# KiCad board Backplane_v2.kicad_pcb (continued)
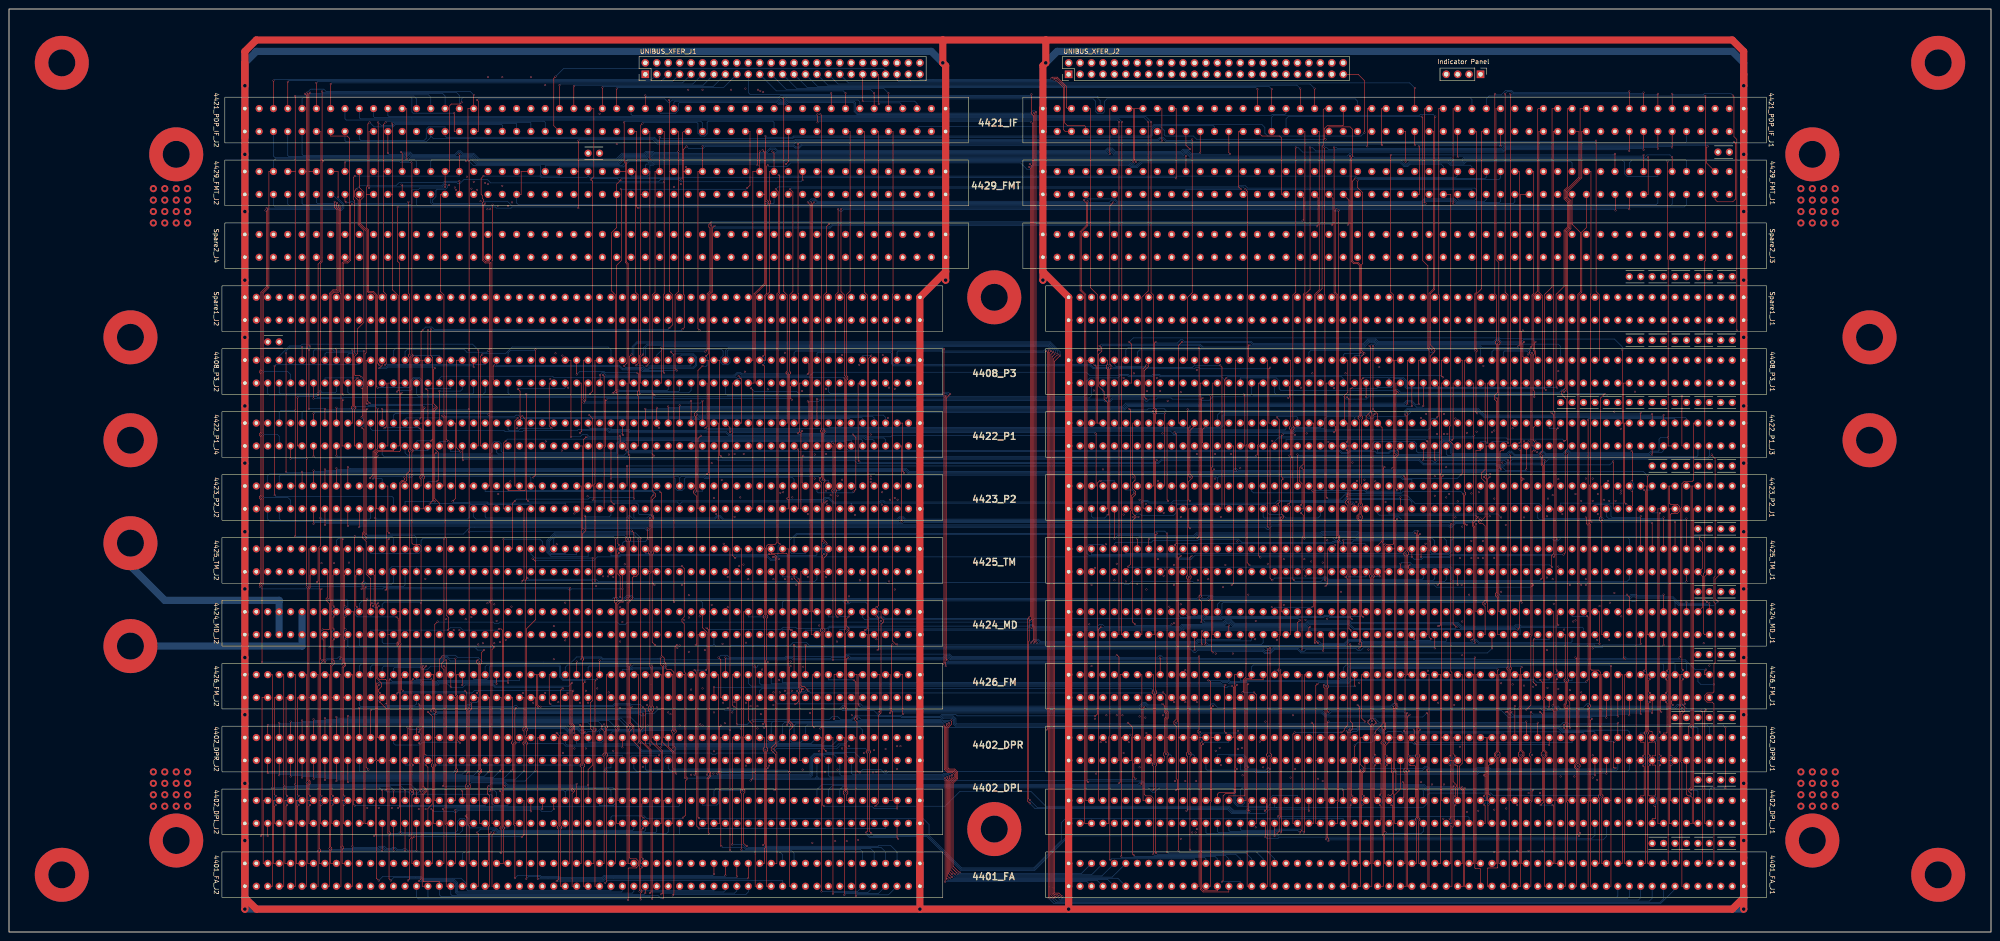
[diagram p0: board, top side]
## Routing (per net, layer and track width the routed paths; a pad name or vN(x,y) marks a point on that pad's centre or on a via; arc(x,y) is an arc through that point) (continued)
FMM22*: length 138.2
  F.SigTop w0.127: 4401_FA_J2.80 104.18,10.16 104.18,21.84 v2(103.92,22.1) ; v2(93.76,56.13) 94.02,55.88 94.02,49.66 93.63,49.28 v2(93.63,49.02) ; 4402_DPL_J2.50 142.28,24.13 142.28,40.39 140.24,42.42 140.24,44.83 140.75,45.34 v2(140.75,48.51)
  B.Sig.Top w0.127: 4402_DPL_J2.50 141.26,22.61 141.01,22.35 108.49,22.35 107.99,22.86 104.68,22.86 v2(103.92,22.1) ; 4426_FM_J2.89 90.46,56.13 v2(93.76,56.13) ; v2(140.75,48.51) 140.5,48.77 94.78,48.77 94.52,48.51 94.14,48.51 v2(93.63,49.02)
FMM23*: length 104.9
  F.SigTop w0.127: 4426_FM_J2.91 87.16,56.39 87.16,53.85 v2(87.41,53.59) ; v2(101.25,53.59) 101.64,53.21 101.64,49.66 101.89,49.4 101.89,35.43 101.64,35.18 101.64,32.89 101.38,32.64 101.38,32.13 101.64,31.88 101.64,26.03 ; 101.64,25.4 101.64,25.53 v2(101.38,25.78) 101.64,26.03 ; 101.64,25.4 101.64,26.03 ; 101.64,25.4 101.64,10.16 4401_FA_J2.82
  B.Sig.Top w0.127: v2(101.38,25.78) 101.89,25.27 101.89,23.62 102.4,23.11 108.11,23.11 108.62,22.61 138.47,22.61 138.72,22.86 4402_DPL_J2.52 ; v2(101.25,53.59) 101,53.34 87.67,53.34 v2(87.41,53.59)
FMM24*: length 70.4
  F.SigTop w0.127: 4402_DPL_J2.90 v2(90.46,18.03) ; 4401_FA_J2.102 76.24,10.16 v2(76.24,19.05) 76.24,57.15 4426_FM_J2.101
  B.Sig.Top w0.127: v2(90.46,18.03) 88.56,18.03 88.05,18.54 87.67,18.54 87.41,18.29 86.27,18.29 85.76,18.8 85.13,18.8 84.87,18.54 83.86,18.54 83.35,19.05 82.08,19.05 81.82,18.8 76.49,18.8 v2(76.24,19.05)
FMM25*: length 70.1
  F.SigTop w0.127: 4402_DPL_J2.92 v2(87.92,18.03) ; 4426_FM_J2.103 73.7,57.15 v2(73.7,18.8) 73.7,10.16 4401_FA_J2.104
  B.Sig.Top w0.127: v2(87.92,18.03) 86.14,18.03 85.63,18.54 85.25,18.54 85,18.29 83.6,18.29 83.09,18.8 82.33,18.8 82.08,18.54 73.95,18.54 v2(73.7,18.8)
FMM26*: length 69.8
  F.SigTop w0.127: 4402_DPL_J2.94 v2(85.38,18.03) ; 4426_FM_J2.105 71.16,57.15 v2(71.16,18.54) 71.16,10.16 4401_FA_J2.106
  B.Sig.Top w0.127: v2(71.16,18.54) 71.41,18.29 82.33,18.29 82.59,18.54 82.97,18.54 83.47,18.03 v2(85.38,18.03)
FMM27*: length 69.3
  F.SigTop w0.127: 4402_DPL_J2.96 v2(82.84,18.03) ; 4401_FA_J2.108 68.62,10.16 v2(68.62,18.03) 68.62,57.15 4426_FM_J2.107
  B.Sig.Top w0.127: v2(82.84,18.03) v2(68.62,18.03)
FMOVF*: length 123.3
  F.SigTop w0.127: v2(310.42,115.32) 310.42,84.58 310.68,84.33 310.68,83.82 310.42,83.57 310.42,57.15 4426_FM_J1.59
  B.Sig.Top w0.127: v2(310.42,115.32) 310.93,115.82 325.92,115.82 327.44,114.3 372.15,114.3 372.4,114.05 4422_P1_J3.11
FMUL*: length 404.7
  F.SigTop w0.127: 4422_P1_J4.18 182.92,107.95 182.92,98.42 182.66,98.17 182.66,97.92 182.92,97.66 v2(182.92,60.45) ; v2(358.68,60.58) 358.43,60.83 358.43,121.92 4408_P3_J1.22 ; v2(376.72,58.29) 376.46,58.04 376.46,57.15 4426_FM_J1.7 ; 4423_P2_J2.61 127.04,99.06 v2(127.04,60.58)
  B.Sig.Top w0.127: v2(127.04,60.58) 127.29,60.83 131.35,60.83 131.74,60.45 172.5,60.45 172.76,60.71 173.77,60.71 174.03,60.45 v2(182.92,60.45) 207.55,60.45 207.94,60.83 208.57,60.83 208.95,60.45 358.56,60.45 v2(358.68,60.58) 358.81,60.45 372.15,60.45 374.3,58.29 v2(376.72,58.29)
FMUNF*: length 119.9
  F.SigTop w0.127: v2(367.32,114.81) 4422_P1_J3.15 ; v2(309.92,114.94) 310.17,114.68 310.17,84.71 309.66,84.2 309.66,83.82 309.92,83.57 309.92,57.15 4426_FM_J1.61
  B.Sig.Top w0.127: v2(309.92,114.94) 309.92,115.44 310.55,116.08 326.05,116.08 327.57,114.55 367.07,114.55 v2(367.32,114.81)
FN2HD*: length 73.4
  F.SigTop w0.127: 4421_PDP_IF_J2.90 69.25,177.8 69.25,148.97 68.62,148.34 v2(68.62,119.25)
  B.Sig.Top w0.127: 4408_P3_J2.116 57.44,119.63 57.82,119.25 v2(68.62,119.25)
FSE00*: length 44.2
  F.SigTop w0.127: 4401_FA_J1.17 363.76,15.24 363.76,43.81 364.02,44.07 364.02,44.32 363.76,44.58 363.76,57.15 4426_FM_J1.17
FSE01*: length 44.2
  F.SigTop w0.127: 4426_FM_J1.19 363.26,57.15 363.26,44.58 363,44.32 363,44.07 363.26,43.81 363.26,15.24 4401_FA_J1.19
FSE02*: length 43.9
  F.SigTop w0.127: 4426_FM_J1.21 358.68,57.15 358.68,15.24 4401_FA_J1.21
FSE03*: length 43.9
  F.SigTop w0.127: 4426_FM_J1.23 358.18,57.15 358.18,15.24 4401_FA_J1.23
FSE04*: length 44.2
  F.SigTop w0.127: 4426_FM_J1.25 353.6,57.15 353.6,30.61 353.86,30.35 353.86,29.97 353.6,29.72 353.6,15.24 4401_FA_J1.25
FSE05*: length 44.2
  F.SigTop w0.127: 4401_FA_J1.27 353.1,15.24 353.1,29.72 352.84,29.97 352.84,30.35 353.1,30.61 353.1,57.15 4426_FM_J1.27
FSE06*: length 44.4
  F.SigTop w0.127: 4426_FM_J1.39 335.82,57.15 335.82,40.39 336.33,39.88 336.33,39.12 335.82,38.61 335.82,15.24 4401_FA_J1.39
FSE07*: length 44.2
  F.SigTop w0.127: 4426_FM_J1.41 335.32,57.15 335.32,40 335.06,39.75 335.06,39.12 335.32,38.86 335.32,15.24 4401_FA_J1.41
FSE08*: length 44.2
  F.SigTop w0.127: 4426_FM_J1.43 330.74,57.15 330.74,40 331,39.75 331,38.99 330.74,38.74 330.74,15.24 4401_FA_J1.43
FSE09*: length 44.4
  F.SigTop w0.127: 4401_FA_J1.45 330.24,15.24 330.24,38.61 329.73,39.12 329.73,39.62 330.24,40.13 330.24,57.15 4426_FM_J1.45
FSE10*: length 43.9
  F.SigTop w0.127: 4401_FA_J1.47 325.66,15.24 325.66,57.15 4426_FM_J1.47
FSE11*: length 43.9
  F.SigTop w0.127: 4426_FM_J1.49 325.16,57.15 325.16,15.24 4401_FA_J1.49
HADR2HD*: length 44.6
  F.SigTop w0.127: v2(98.84,181.86) 98.84,177.8 4421_PDP_IF_J2.70
  B.Sig.Top w0.127: 4421_PDP_IF_J2.91 65.06,185.04 65.44,185.42 89.19,185.42 89.44,185.17 89.44,182.12 89.7,181.86 v2(98.84,181.86)
HADRCLK*: length 95.8
  F.SigTop w0.127: 4421_PDP_IF_J2.68 104.18,177.8 104.18,184.53 v2(103.92,184.78)
  B.Sig.Top w0.127: 4421_PDP_IF_J2.13 188.88,184.4 188.5,184.78 172.76,184.78 172.25,184.28 171.11,184.28 170.6,184.78 147.23,184.78 146.72,184.28 146.34,184.28 145.58,185.04 104.18,185.04 v2(103.92,184.78)
HD00: length 157.3
  F.SigTop w0.127: 4408_P3_J2.29 167.93,127 167.93,141.22 168.82,142.11 168.82,161.54 169.07,161.8 169.07,162.31 168.82,162.56 168.82,168.91 4429_FMT_J2.25 169.83,172.97 v2(169.45,173.36) ; 4421_PDP_IF_J1.74 270.8,173.1 v2(271.05,172.85)
  B.Sig.Top w0.127: v2(271.05,172.85) 270.8,172.59 262.42,172.59 261.66,173.36 260.89,173.36 260.39,172.85 245.4,172.85 244.64,173.61 244.13,173.61 243.62,173.1 170.09,173.1 169.83,173.36 v2(169.45,173.36)
HD01: length 163.5
  F.SigTop w0.127: 4408_P3_J2.30 165.64,121.92 165.64,141.61 167.93,143.89 167.93,161.8 v2(168.18,162.05) 167.93,162.31 v2(167.93,176.78)
  B.Sig.Top w0.127: 4429_FMT_J2.26 169.83,161.93 169.71,161.8 168.44,161.8 v2(168.18,162.05) ; v2(167.93,176.78) 168.18,176.53 173.9,176.53 174.15,176.78 253.27,176.78 253.53,177.04 253.53,178.31 254.29,179.07 267.37,179.07 267.62,178.82 4421_PDP_IF_J1.76
HD02: length 153.2
  F.SigTop w0.127: 4408_P3_J2.31 165.14,127 165.14,168.91 4429_FMT_J2.27 v2(166.66,173.36) ; v2(264.45,173.1) 4421_PDP_IF_J1.78
  B.Sig.Top w0.127: v2(264.45,173.1) 264.2,172.85 262.55,172.85 261.78,173.61 260.77,173.61 260.26,173.1 245.53,173.1 244.76,173.86 244,173.86 243.5,173.36 170.47,173.36 169.96,173.86 169.07,173.86 168.31,173.1 166.91,173.1 v2(166.66,173.36)
HD2DP: length 145.3
  F.SigTop w0.127: v2(242.1,130.18) 242.61,129.67 242.61,129.03 241.84,128.27 241.84,121.28 243.11,120.01 243.11,118.36 243.88,117.6 243.88,93.98 4423_P2_J1.114
  B.Sig.Top w0.127: 4408_P3_J1.33 344.46,130.05 343.95,130.56 334.68,130.56 334.55,130.43 303.57,130.43 303.06,130.94 302.04,130.94 301.03,129.92 265.08,129.92 264.45,130.56 242.48,130.56 v2(242.1,130.18)
HD03: length 155.6
  F.SigTop w0.127: 167.68,163.83 167.68,173.23 v2(167.3,173.61) ; 167.68,163.83 4429_FMT_J2.28 ; 167.68,163.83 167.68,144.02 165.39,141.73 165.39,121.92 4408_P3_J2.32 ; v2(262.16,173.86) 261.27,174.75 4421_PDP_IF_J1.80
  B.Sig.Top w0.127: v2(262.16,173.86) 260.64,173.86 260.13,173.36 245.65,173.36 244.89,174.12 243.88,174.12 243.37,173.61 170.6,173.61 170.09,174.12 168.95,174.12 168.18,173.36 167.55,173.36 v2(167.3,173.61)
HD04: length 95.9
  F.SigTop w0.127: 4421_PDP_IF_J2.24 173.01,171.07 v2(172.5,170.56) ; 4429_FMT_J2.43 142.28,168.91 142.28,126.49 v2(141.51,125.73)
  B.Sig.Top w0.127: v2(172.5,170.56) 172.25,170.81 143.17,170.81 142.91,170.56 141.51,170.56 141.26,170.31 4429_FMT_J2.43 ; 4408_P3_J2.41 151.42,125.98 151.17,125.73 v2(141.51,125.73)
HD05: length 111.6
  F.SigTop w0.127: v2(140.62,179.58) 140.24,179.2 140.24,163.83 ; v2(139.99,119.51) 139.99,128.02 140.24,128.27 140.24,163.83 ; 140.24,163.83 4429_FMT_J2.44
  B.Sig.Top w0.127: v2(139.99,119.51) 140.24,119.76 150.91,119.76 151.42,120.27 4408_P3_J2.42 ; v2(140.62,179.58) 140.88,179.83 152.69,179.83 152.94,179.58 152.94,177.42 153.58,176.78 154.47,176.78 154.98,177.29 154.98,179.83 155.23,180.09 169.58,180.09 169.83,179.83 4421_PDP_IF_J2.26
HD06: length 103.6
  F.SigTop w0.127: v2(139.23,125.86) 139.74,126.37 139.74,141.48 139.1,142.11 139.1,168.91 138.08,168.91 ; v2(166.15,170.31) 166.15,177.29 4421_PDP_IF_J2.28
  B.Sig.Top w0.127: v2(139.23,125.86) 140.62,125.86 141.26,125.22 141.89,125.22 142.15,125.48 151.93,125.48 152.44,125.98 152.44,127.51 151.8,128.14 149.26,128.14 148.88,127.76 4408_P3_J2.43 ; 138.08,168.91 138.08,168.02 138.21,167.89 141.77,167.89 142.28,168.4 142.28,170.18 142.4,170.31 143.04,170.31 143.29,170.56 165.9,170.56 v2(166.15,170.31)
HD07: length 105.2
  F.SigTop w0.127: v2(134.66,119.63) 134.91,119.89 134.91,148.08 135.93,149.1 135.93,164.85 v2(135.8,164.97) ; v2(163.87,165.23) 164.5,165.86 164.5,177.8 4421_PDP_IF_J2.30
  B.Sig.Top w0.127: 138.08,164.97 138.08,163.83 ; 138.08,164.97 v2(135.8,164.97) ; 138.08,164.97 163.61,164.97 v2(163.87,165.23) ; v2(134.66,119.63) 135.04,120.01 148.63,120.01 148.88,120.27 4408_P3_J2.44
HD08: length 101.9
  F.SigTop w0.127: 136.81,168.91 4429_FMT_J2.47 ; 136.81,168.91 136.81,148.72 137.2,148.34 137.2,126.37 v2(136.56,125.73) ; 136.81,168.91 136.81,170.81 136.56,171.07 v2(136.56,179.83)
  B.Sig.Top w0.127: v2(136.56,125.73) 136.94,125.35 140.75,125.35 141.13,124.97 142.02,124.97 142.28,125.22 152.06,125.22 152.69,125.86 152.69,127.63 151.93,128.4 147.74,128.4 4408_P3_J2.45 ; 4421_PDP_IF_J2.36 153.96,179.7 153.58,180.09 136.81,180.09 v2(136.56,179.83)
HD09: length 88.7
  F.SigTop w0.127: v2(149.26,167.13) 149.51,167.39 149.51,177.55 149.77,177.8 4421_PDP_IF_J2.38 ; v2(135.93,167.13) 134.91,166.12 4429_FMT_J2.48 134.91,156.46 133.77,155.32 133.77,142.37 134.66,141.48 134.66,120.27 v2(134.02,119.63)
  B.Sig.Top w0.127: v2(135.93,167.13) 136.18,167.39 149.01,167.39 v2(149.26,167.13) ; v2(134.02,119.63) 134.78,120.4 135.42,120.4 135.55,120.27 146.09,120.27 146.34,120.52 4408_P3_J2.46
HD10: length 164.4
  F.SigTop w0.127: v2(87.03,173.23) 87.28,172.97 4429_FMT_J2.77 ; v2(148.25,124.71) 147.86,125.09 147.86,141.48 148.63,142.24 v2(148.63,173.36) 148.63,177.8 4421_PDP_IF_J2.40
  B.Sig.Top w0.127: 4408_P3_J2.75 108.24,125.86 135.55,125.86 136.31,125.09 140.5,125.09 140.88,124.71 v2(148.25,124.71) ; v2(87.03,173.23) 89.06,173.23 89.57,172.72 98.97,172.72 99.73,173.48 100.24,173.48 100.75,172.97 103.16,172.97 104.43,171.7 134.78,171.7 136.05,172.97 141.01,172.97 141.39,173.36 143.04,173.36 143.29,173.1 148.37,173.1 v2(148.63,173.36)
HD11: length 159.3
  F.SigTop w0.127: v2(145.45,124.21) 145.32,124.33 145.32,141.61 145.45,141.73 v2(145.45,166.62) 145.45,177.8 4421_PDP_IF_J2.42 ; 4429_FMT_J2.78 87.28,165.86 v2(87.16,165.99) ; 4408_P3_J2.76 107.48,122.68 107.48,125.6 v2(107.73,125.86)
  B.Sig.Top w0.127: v2(145.45,124.21) 145.2,124.46 140.62,124.46 140.24,124.84 136.18,124.84 135.42,125.6 107.99,125.6 v2(107.73,125.86) ; v2(87.16,165.99) 87.41,165.74 96.05,165.74 96.81,166.5 99.35,166.5 99.6,166.24 100.11,166.24 101,167.13 106.21,167.13 106.97,166.37 145.2,166.37 v2(145.45,166.62)
HD12: length 116.5
  F.SigTop w0.127: 83.09,168.91 83.09,179.32 v2(83.6,179.83) ; 83.09,168.91 83.09,142.24 83.86,141.48 83.86,126.37 v2(83.47,125.98) ; 83.09,168.91 4429_FMT_J2.79
  B.Sig.Top w0.127: v2(83.47,125.98) 105.7,125.98 4408_P3_J2.77 ; v2(83.6,179.83) 83.86,180.09 118.78,180.09 119.04,179.83 119.04,177.8
HD13: length 121.6
  F.SigTop w0.127: 85.13,163.83 4429_FMT_J2.80 ; 85.13,163.83 85.13,179.45 v2(85,179.58) ; 85.13,163.83 85.13,142.62 86.4,141.35 86.4,120.27 v2(86.14,120.01)
  B.Sig.Top w0.127: 4421_PDP_IF_J2.60 115.86,179.7 115.73,179.83 85.25,179.83 v2(85,179.58) ; v2(86.14,120.01) 86.4,120.27 89.19,120.27 89.44,120.52 89.44,122.43 89.95,122.94 90.97,122.94 91.48,122.43 91.48,119.51 91.73,119.25 105.06,119.25 105.7,119.89 4408_P3_J2.78
HD14: length 110.9
  F.SigTop w0.127: v2(103.16,125.48) 4408_P3_J2.79 ; v2(81.95,179.83) 81.95,168.91 ; 81.95,168.91 81.95,141.48 81.82,141.35 81.82,126.37 v2(82.21,125.98) ; 81.95,168.91 4429_FMT_J2.81
  B.Sig.Top w0.127: v2(81.95,179.83) 82.71,179.07 85.13,179.07 85.63,179.58 112.56,179.58 112.69,179.45 4421_PDP_IF_J2.62 ; v2(82.21,125.98) 82.71,125.48 83.73,125.48 83.98,125.73 102.91,125.73 v2(103.16,125.48)
HD15: length 122.3
  F.SigTop w0.127: v2(81.82,120.9) 81.57,121.16 81.57,141.61 80.94,142.24 79.92,142.24 79.79,142.37 79.79,155.96 79.41,156.34 79.41,163.83 ; 79.41,163.83 4429_FMT_J2.82 ; 79.41,163.83 79.41,165.48 79.66,165.74 79.66,179.45 v2(80.05,179.83)
  B.Sig.Top w0.127: 4408_P3_J2.80 103.16,119.76 102.91,119.51 91.98,119.51 91.73,119.76 91.73,122.56 91.09,123.19 89.82,123.19 89.19,122.56 89.19,121.28 88.81,120.9 v2(81.82,120.9) ; v2(80.05,179.83) 81.06,178.82 85.25,178.82 85.76,179.32 109.38,179.32 109.51,179.2 4421_PDP_IF_J2.64
HINTIND: length 24.7
  B.Sig.In w0.127: 4421_PDP_IF_J1.49 308.9,183.9 309.03,184.02 316.65,184.02 317.54,184.91 317.54,191.52 318.04,192.02 323.63,192.02 324.14,191.52 J39.2
I+H09: length 240.3
  F.SigTop w0.127: 4421_PDP_IF_J2.44 142.28,177.8 v2(142.28,171.58)
  B.Sig.Top w0.127: 4429_FMT_J1.9 372.4,171.32 372.15,171.58 323.25,171.58 322.74,171.07 320.33,171.07 319.82,171.58 v2(142.28,171.58)
I+H10: length 253.8
  F.SigTop w0.127: 138.08,177.8 139.36,177.8 139.36,161.04 139.61,160.78 v2(139.74,160.78)
  B.Sig.Top w0.127: v2(139.74,160.78) 139.99,161.04 371.89,161.04 372.4,161.54 4429_FMT_J1.10
I+H13: length 297.8
  F.SigTop w0.127: v2(84.11,172.97) 4421_PDP_IF_J2.80 ; 4429_FMT_J1.11 v2(369.23,172.08)
  B.Sig.Top w0.127: v2(84.11,172.97) 84.36,172.72 87.54,172.72 87.79,172.97 88.94,172.97 89.44,172.47 99.1,172.47 99.86,173.23 100.11,173.23 100.62,172.72 103.03,172.72 104.3,171.45 134.91,171.45 136.18,172.72 141.13,172.72 141.51,173.1 142.91,173.1 143.17,172.85 243.75,172.85 244.26,173.36 244.51,173.36 245.27,172.59 260.51,172.59 261.02,173.1 261.53,173.1 262.29,172.34 297.09,172.34 297.6,172.85 297.85,172.85 298.61,172.08 320.08,172.08 320.58,171.58 322.49,171.58 323,172.08 363.13,172.08 363.64,172.59 368.72,172.59 v2(369.23,172.08)
I+H14: length 315.8
  F.SigTop w0.127: v2(79.92,165.23) 79.92,177.8 4421_PDP_IF_J2.82
  B.Sig.Top w0.127: v2(79.92,165.23) 80.17,165.48 96.18,165.48 96.68,165.99 97.06,165.99 97.32,165.74 97.32,165.35 96.94,164.97 95.03,164.97 94.78,164.72 94.78,163.32 94.02,162.56 94.02,162.05 94.27,161.8 104.94,161.8 105.45,162.31 110.65,162.31 111.67,161.29 368.84,161.29 369.23,161.67 4429_FMT_J1.12
IFFTQ: length 35.2
  F.SigTop w0.127: 4422_P1_J3.21 358.68,113.03 358.68,95.38 v2(359.07,95)
  B.Sig.Top w0.127: 4423_P2_J1.34 344.46,95.25 358.81,95.25 v2(359.07,95)
IN100: length 255.4
  F.SigTop w0.127: 4421_PDP_IF_J1.38 326.93,177.8 326.93,142.88 325.66,141.61 325.66,129.54 325.92,129.29 325.92,129.03 325.66,128.78 325.66,115.44 v2(325.92,115.19) ; v2(265.21,112.01) 265.21,111.89 264.96,111.63 264.96,108.71 4422_P1_J3.96 ; 4408_P3_J2.40 154.98,121.92 154.98,112.27 v2(154.6,111.89)
  B.Sig.Top w0.127: v2(154.6,111.89) 154.72,111.76 265.08,111.76 265.21,111.89 ; v2(325.92,115.19) 325.54,115.57 311.31,115.57 310.29,114.54 303.18,114.54 302.68,114.05 301.79,114.05 301.03,114.81 269.78,114.81 269.53,114.55 269.53,112.39 268.89,111.76 265.34,111.76 265.21,111.89 ; 265.21,111.89 v2(265.21,112.01)
INCCIN*: length 45.2
  F.SigTop w0.127: 4422_P1_J4.83 99.1,113.03 99.1,96.27 v2(98.46,95.63)
  B.Sig.Top w0.127: 4423_P2_J2.64 123.48,95.25 106.46,95.25 106.21,95.5 102.27,95.5 102.14,95.38 98.71,95.38 v2(98.46,95.63)
INT2A1E*: length 244.7
  F.SigTop w0.127: 4408_P3_J2.37 157.77,127 157.77,105.92 v2(158.02,105.66)
  B.Sig.Top w0.127: v2(158.02,105.66) 158.4,105.28 376.97,105.28 377.48,105.79 4422_P1_J3.8
INTEN: length 89.2
  F.SigTop w0.127: v2(325.41,129.16) 325.41,141.73 325.79,142.11 325.79,177.8 4421_PDP_IF_J1.40
  B.Sig.Top w0.127: v2(325.41,129.16) 325.16,129.41 316.9,129.41 316.14,128.65 315.63,128.65 315.12,129.16 288.96,129.16 288.58,128.78 4408_P3_J1.77
INTIND: length 80.6
  F.Sig.In w0.127: J39.1 326.68,142.49 327.82,141.35 327.82,126.24 v2(327.31,125.73)
  B.Sig.In w0.127: 4408_P3_J1.35 340.65,125.73 v2(327.31,125.73)
INTOP: length 69.1
  F.SigTop w0.127: 4422_P1_J4.80 104.18,107.95 v2(104.18,129.29)
  B.Sig.Top w0.127: 4408_P3_J2.113 59.98,127.89 62.27,130.18 64.68,130.18 65.06,130.56 102.91,130.56 v2(104.18,129.29)
INTR1*: length 21.4
  F.Sig.In w0.127: 4408_P3_J1.95 264.7,127 264.7,119 264.45,118.75 264.45,107.95 4422_P1_J3.98
INTR*: length 229.3
  F.SigTop w0.127: 4422_P1_J4.25 172.76,113.03 172.76,123.82 172.5,124.08 172.5,124.33 172.76,124.59 172.76,141.48 171.99,142.24 171.99,185.04 v2(171.74,185.29)
  B.Sig.Top w0.127: 4421_PDP_IF_J1.39 324.77,184.91 324.39,185.29 241.97,185.29 241.72,185.55 171.99,185.55 v2(171.74,185.29)
INTU*: length 30.4
  F.SigTop w0.127: 4422_P1_J3.38 338.11,107.95 v2(338.11,128.65)
  B.Sig.Top w0.127: v2(338.11,128.65) 337.35,128.65 336.97,129.03 332.01,129.03 331.76,128.78 4408_P3_J1.43
IOACK*: length 118.1
  F.SigTop w0.127: v2(316.01,129.16) 315.25,129.92 315.25,141.86 316.27,142.88 316.27,177.8 4421_PDP_IF_J1.46
  B.Sig.Top w0.127: v2(316.01,129.16) 315.76,129.41 264.58,129.41 264.45,129.29 250.99,129.29 250.48,128.78 4408_P3_J1.107
IODRDY*: length 262.8
  F.SigTop w0.127: 4422_P1_J4.23 175.3,113.03 175.3,141.73 175.17,141.86 v2(175.17,175.01)
  B.Sig.Top w0.127: 4421_PDP_IF_J1.10 372.4,175.51 372.15,175.26 175.42,175.26 v2(175.17,175.01)
IODRDYQ: length 107.7
  F.Sig.In w0.127: v2(172.25,128.65) 172.76,128.14 172.76,124.59 172.5,124.33 172.5,124.08 172.76,123.82 172.76,107.95 4422_P1_J4.26
  B.Sig.In w0.127: v2(172.25,128.65) 172.5,128.4 184.57,128.4 184.95,128.78 229.78,128.78 231.05,127.51 233.84,127.51 234.61,128.27 255.31,128.27 255.56,128.02 4408_P3_J1.103
LDFN*: length 242.8
  F.SigTop w0.127: 4408_P3_J1.99 261.66,127 261.66,140.97 262.67,141.99 v2(262.67,176.02)
  B.Sig.Top w0.127: v2(262.67,176.02) 262.42,175.77 256.96,175.77 256.19,176.53 255.56,176.53 255.05,176.02 174.53,176.02 174.28,175.77 144.05,175.77 143.29,176.53 97.06,176.53 96.81,176.78 4421_PDP_IF_J2.72 96.81,178.82 93.13,178.82 92.62,178.31 92.62,176.28 92.11,175.77 78.14,175.77 77.76,176.15 4421_PDP_IF_J2.84
LDOMA*: length 121
  F.SigTop w0.127: 4422_P1_J3.90 274.36,107.95 274.36,119.13 v2(274.1,119.38) ; v2(330.24,118.62) 330.49,118.36 330.49,75.31 330.35,75.17 330.35,74.77 330.74,74.38 330.74,71.12 4424_MD_J1.43
  B.Sig.Top w0.127: 275.88,119.51 276.26,119.13 296.07,119.13 296.83,118.36 301.32,118.36 301.83,118.87 329.98,118.87 v2(330.24,118.62) ; 275.88,119.51 275.5,119.13 274.36,119.13 v2(274.1,119.38) ; 275.88,119.51 4408_P3_J1.88
LDSR*: length 332.9
  F.SigTop w0.127: v2(352.33,175.77) 352.33,142.24 353.1,141.48 353.1,127 4408_P3_J1.27
  B.Sig.Top w0.127: 93.63,176.78 93.63,176.53 92.62,175.51 74.84,175.51 74.59,175.77 4421_PDP_IF_J2.86 ; 93.63,176.78 94.14,176.28 143.17,176.28 143.93,175.51 174.41,175.51 174.66,175.77 255.18,175.77 255.69,176.28 256.07,176.28 256.83,175.51 352.08,175.51 v2(352.33,175.77) ; 93.63,176.78 4421_PDP_IF_J2.74
LT2HD*: length 80.4
  F.SigTop w0.127: v2(74.2,119.38) 73.95,119.63 73.95,148.59 74.2,148.84 75.09,148.84 75.6,149.35 75.6,176.28 75.09,176.78 71.41,176.78 4421_PDP_IF_J2.88
  B.Sig.Top w0.127: v2(74.2,119.38) 74.08,119.51 69.12,119.51 68.87,119.76 68.49,119.76 68.24,119.51 60.23,119.51 59.98,119.76 4408_P3_J2.114
M1EBS00*: length 69.3
  F.Sig.In w0.127: 4402_DPL_J1.30 348.52,24.13 348.52,36.45 348.78,36.7 348.78,37.08 348.52,37.34 348.52,52.71 v2(349.03,53.21)
  B.Sig.In w0.127: 4426_FM_J1.60 311.44,53.21 v2(349.03,53.21)
M1EBS01*: length 70.2
  F.Sig.In w0.127: v2(346.49,53.72) 345.98,53.21 345.98,51.56 346.49,51.05 346.49,50.04 345.98,49.53 345.98,24.13 4402_DPL_J1.32
  B.Sig.In w0.127: v2(346.49,53.72) 346.24,53.47 309.15,53.47 308.9,53.21 4426_FM_J1.62
M1EBS02*: length 148.3
  F.Sig.In w0.127: v2(343.95,81.15) 343.44,80.64 343.44,72.64 343.19,72.39 343.19,54.48 343.7,53.98 v2(343.95,53.98) 343.44,53.47 343.44,50.29 344.21,49.53 344.21,49.28 343.44,48.51 343.44,24.13 4402_DPL_J1.34
  B.Sig.In w0.127: v2(343.95,53.98) 343.7,53.72 306.74,53.72 306.36,53.34 4426_FM_J1.64 ; v2(343.95,81.15) 343.57,81.53 311.57,81.53 311.06,82.04 310.42,82.04 309.66,81.28 296.45,81.28 296.2,81.03 4425_TM_J1.72
M1EBS03*: length 146.4
  F.Sig.In w0.127: 4402_DPL_J1.36 340.9,24.13 340.9,38.99 341.16,39.24 341.16,39.75 340.9,40 340.9,53.59 v2(341.54,54.23) 340.9,54.86 340.9,61.34 341.92,62.36 341.92,62.87 340.9,63.88 340.9,77.6 341.16,77.85 341.16,78.49 v2(341.41,78.74)
  B.Sig.In w0.127: 4426_FM_J1.66 303.82,53.47 304.33,53.98 341.29,53.98 v2(341.54,54.23) ; v2(341.41,78.74) 341.16,78.99 340.01,78.99 339.38,78.36 294.04,78.36 293.66,78.74 4425_TM_J1.74
M1EBS04*: length 88
  F.Sig.In w0.127: 4402_DPL_J1.98 264.2,24.13 264.2,41.66 264.07,41.78 264.07,42.54 264.2,42.67 264.2,44.07 263.94,44.32 263.94,44.7 264.2,44.96 264.2,50.55 v2(263.69,51.05) ; 4425_TM_J1.76 289.85,80.01 289.85,71.88 289.6,71.63 289.6,64.9 289.21,64.52 289.21,63.75 289.6,63.37 289.6,52.07 4426_FM_J1.78
  B.Sig.In w0.127: 4426_FM_J1.78 288.58,53.21 287.69,54.1 277.79,54.1 277.28,54.61 273.34,54.61 272.83,54.1 265.34,54.1 264.2,52.96 264.2,51.56 v2(263.69,51.05)
M1EBS05*: length 87.9
  F.Sig.In w0.127: 4402_DPL_J1.100 260.64,26.92 261.66,27.94 261.66,38.61 261.15,39.12 261.15,39.88 261.66,40.39 261.66,50.55 v2(261.15,51.05) ; 4425_TM_J1.78 287.31,80.01 287.31,64.13 287.56,63.88 287.56,62.61 287.06,62.1 287.06,52.07 4426_FM_J1.80
  B.Sig.In w0.127: 4426_FM_J1.80 286.04,53.21 285.4,53.85 277.66,53.85 277.15,54.36 273.47,54.36 272.96,53.85 265.47,53.85 264.45,52.83 264.45,50.93 264.07,50.55 261.66,50.55 v2(261.15,51.05)
M1EBS06*: length 89.4
  F.Sig.In w0.127: 4425_TM_J1.80 284.52,80.01 284.52,52.07 4426_FM_J1.82 ; 4402_DPL_J1.102 259.12,24.13 259.12,30.73 258.61,31.24 258.61,31.62 259.37,32.38 259.37,33.78 259.12,34.04 259.12,45.34 258.35,46.1 258.35,46.86 259.12,47.62 259.12,50.55 v2(258.61,51.05)
  B.Sig.In w0.127: 4426_FM_J1.82 283.5,53.34 283.25,53.59 277.53,53.59 277.02,54.1 273.59,54.1 273.09,53.59 265.59,53.59 264.7,52.71 264.7,50.8 264.2,50.29 259.37,50.29 v2(258.61,51.05)
M1EBS07*: length 86.1
  F.Sig.In w0.127: 4402_DPL_J1.104 256.58,24.13 256.58,38.99 256.32,39.24 256.32,39.75 256.58,40 256.58,47.75 v2(256.19,48.13) ; 4426_FM_J1.84 281.98,52.07 281.98,57.78 281.72,58.04 281.72,58.29 282.23,58.8 282.23,80.01 4425_TM_J1.82
  B.Sig.In w0.127: v2(256.19,48.13) 256.7,48.64 265.21,48.64 266.74,50.16 266.74,53.09 266.99,53.34 273.21,53.34 273.72,53.85 276.9,53.85 277.4,53.34 280.71,53.34 280.96,53.09 4426_FM_J1.84
M1EBS08*: length 162.7
  F.Sig.In w0.127: v2(266.23,78.36) 265.97,78.11 265.97,73.15 266.74,72.39 266.74,52.07 4426_FM_J1.96 ; v2(177.84,48.64) 177.84,24.13 4402_DPL_J2.22
  B.Sig.In w0.127: v2(177.84,48.64) 178.09,48.89 184.44,48.89 184.69,48.64 192.06,48.64 192.69,48.01 195.62,48.01 196.5,48.89 264.45,48.89 265.72,50.16 4426_FM_J1.96 ; v2(266.23,78.36) 266.48,78.11 277.02,78.11 277.4,78.49 277.4,80.52 277.91,81.03 280.96,81.03 4425_TM_J1.84
M1EBS09*: length 165.7
  F.Sig.In w0.127: v2(263.94,78.11) 264.2,77.85 264.2,67.69 263.94,67.44 263.94,66.8 264.2,66.55 264.2,64.26 264.07,64.13 264.07,63.5 264.7,62.87 264.7,60.96 264.2,60.45 264.2,52.07 4426_FM_J1.98 ; 4402_DPL_J2.24 175.3,24.13 175.3,53.21 v2(174.98,53.53)
  B.Sig.In w0.127: 4425_TM_J1.86 278.42,78.23 278.04,77.85 264.2,77.85 v2(263.94,78.11) ; v2(174.98,53.53) 174.98,53.91 175.55,54.48 176.57,54.48 176.82,54.23 252.89,54.23 253.27,54.61 255.18,54.61 255.56,54.23 262.04,54.23 263.18,53.09 4426_FM_J1.98
M1EBS10*: length 152.3
  F.Sig.In w0.127: 4426_FM_J1.100 259.62,52.07 259.62,57.66 259.37,57.91 259.37,80.01 4425_TM_J1.102 ; 4402_DPL_J2.26 170.72,24.13 170.72,52.83 v2(171.11,53.21)
  B.Sig.In w0.127: 4426_FM_J1.100 260.64,53.21 259.88,53.98 255.43,53.98 255.05,54.36 253.4,54.36 253.02,53.98 246.92,53.98 246.04,53.09 171.23,53.09 v2(171.11,53.21)
M1EBS11*: length 152.8
  F.Sig.In w0.127: 4402_DPL_J2.28 170.22,24.13 170.22,30.61 169.45,31.37 169.45,31.62 170.47,32.64 170.47,49.66 v2(169.71,50.42) ; 4425_TM_J1.104 256.83,80.01 256.83,52.07 4426_FM_J1.102
  B.Sig.In w0.127: 4426_FM_J1.102 258.1,53.34 257.72,53.72 255.31,53.72 254.93,54.1 253.53,54.1 253.15,53.72 247.05,53.72 246.42,53.09 246.42,50.29 246.29,50.16 192.31,50.16 192.19,50.04 189.65,50.04 188.88,50.8 184.69,50.8 184.06,50.16 169.96,50.16 v2(169.71,50.42)
M1MBS00*: length 226.9
  F.Sig.In w0.127: v2(196.63,76.07) 196.12,75.56 196.12,64.64 196.63,64.13 196.63,63.75 196.12,63.25 196.12,52.07 4426_FM_J2.6 ; v2(252.51,76.07) 252.26,76.33 252.26,79.25 4425_TM_J1.106 ; v2(351.57,39.24) 351.06,39.75 351.06,46.23 351.95,47.12 351.95,47.5 351.32,48.13 351.32,50.55 351.06,50.8 351.06,52.2 350.81,52.45 350.81,56.01 350.56,56.26 350.56,69.09 350.81,69.34 350.81,70.49 350.56,70.74 350.56,76.58 v2(350.05,77.09)